# Altium PCB Tag201_GangProgrammerRev1.PcbDoc (part 1 of 7) (continued)
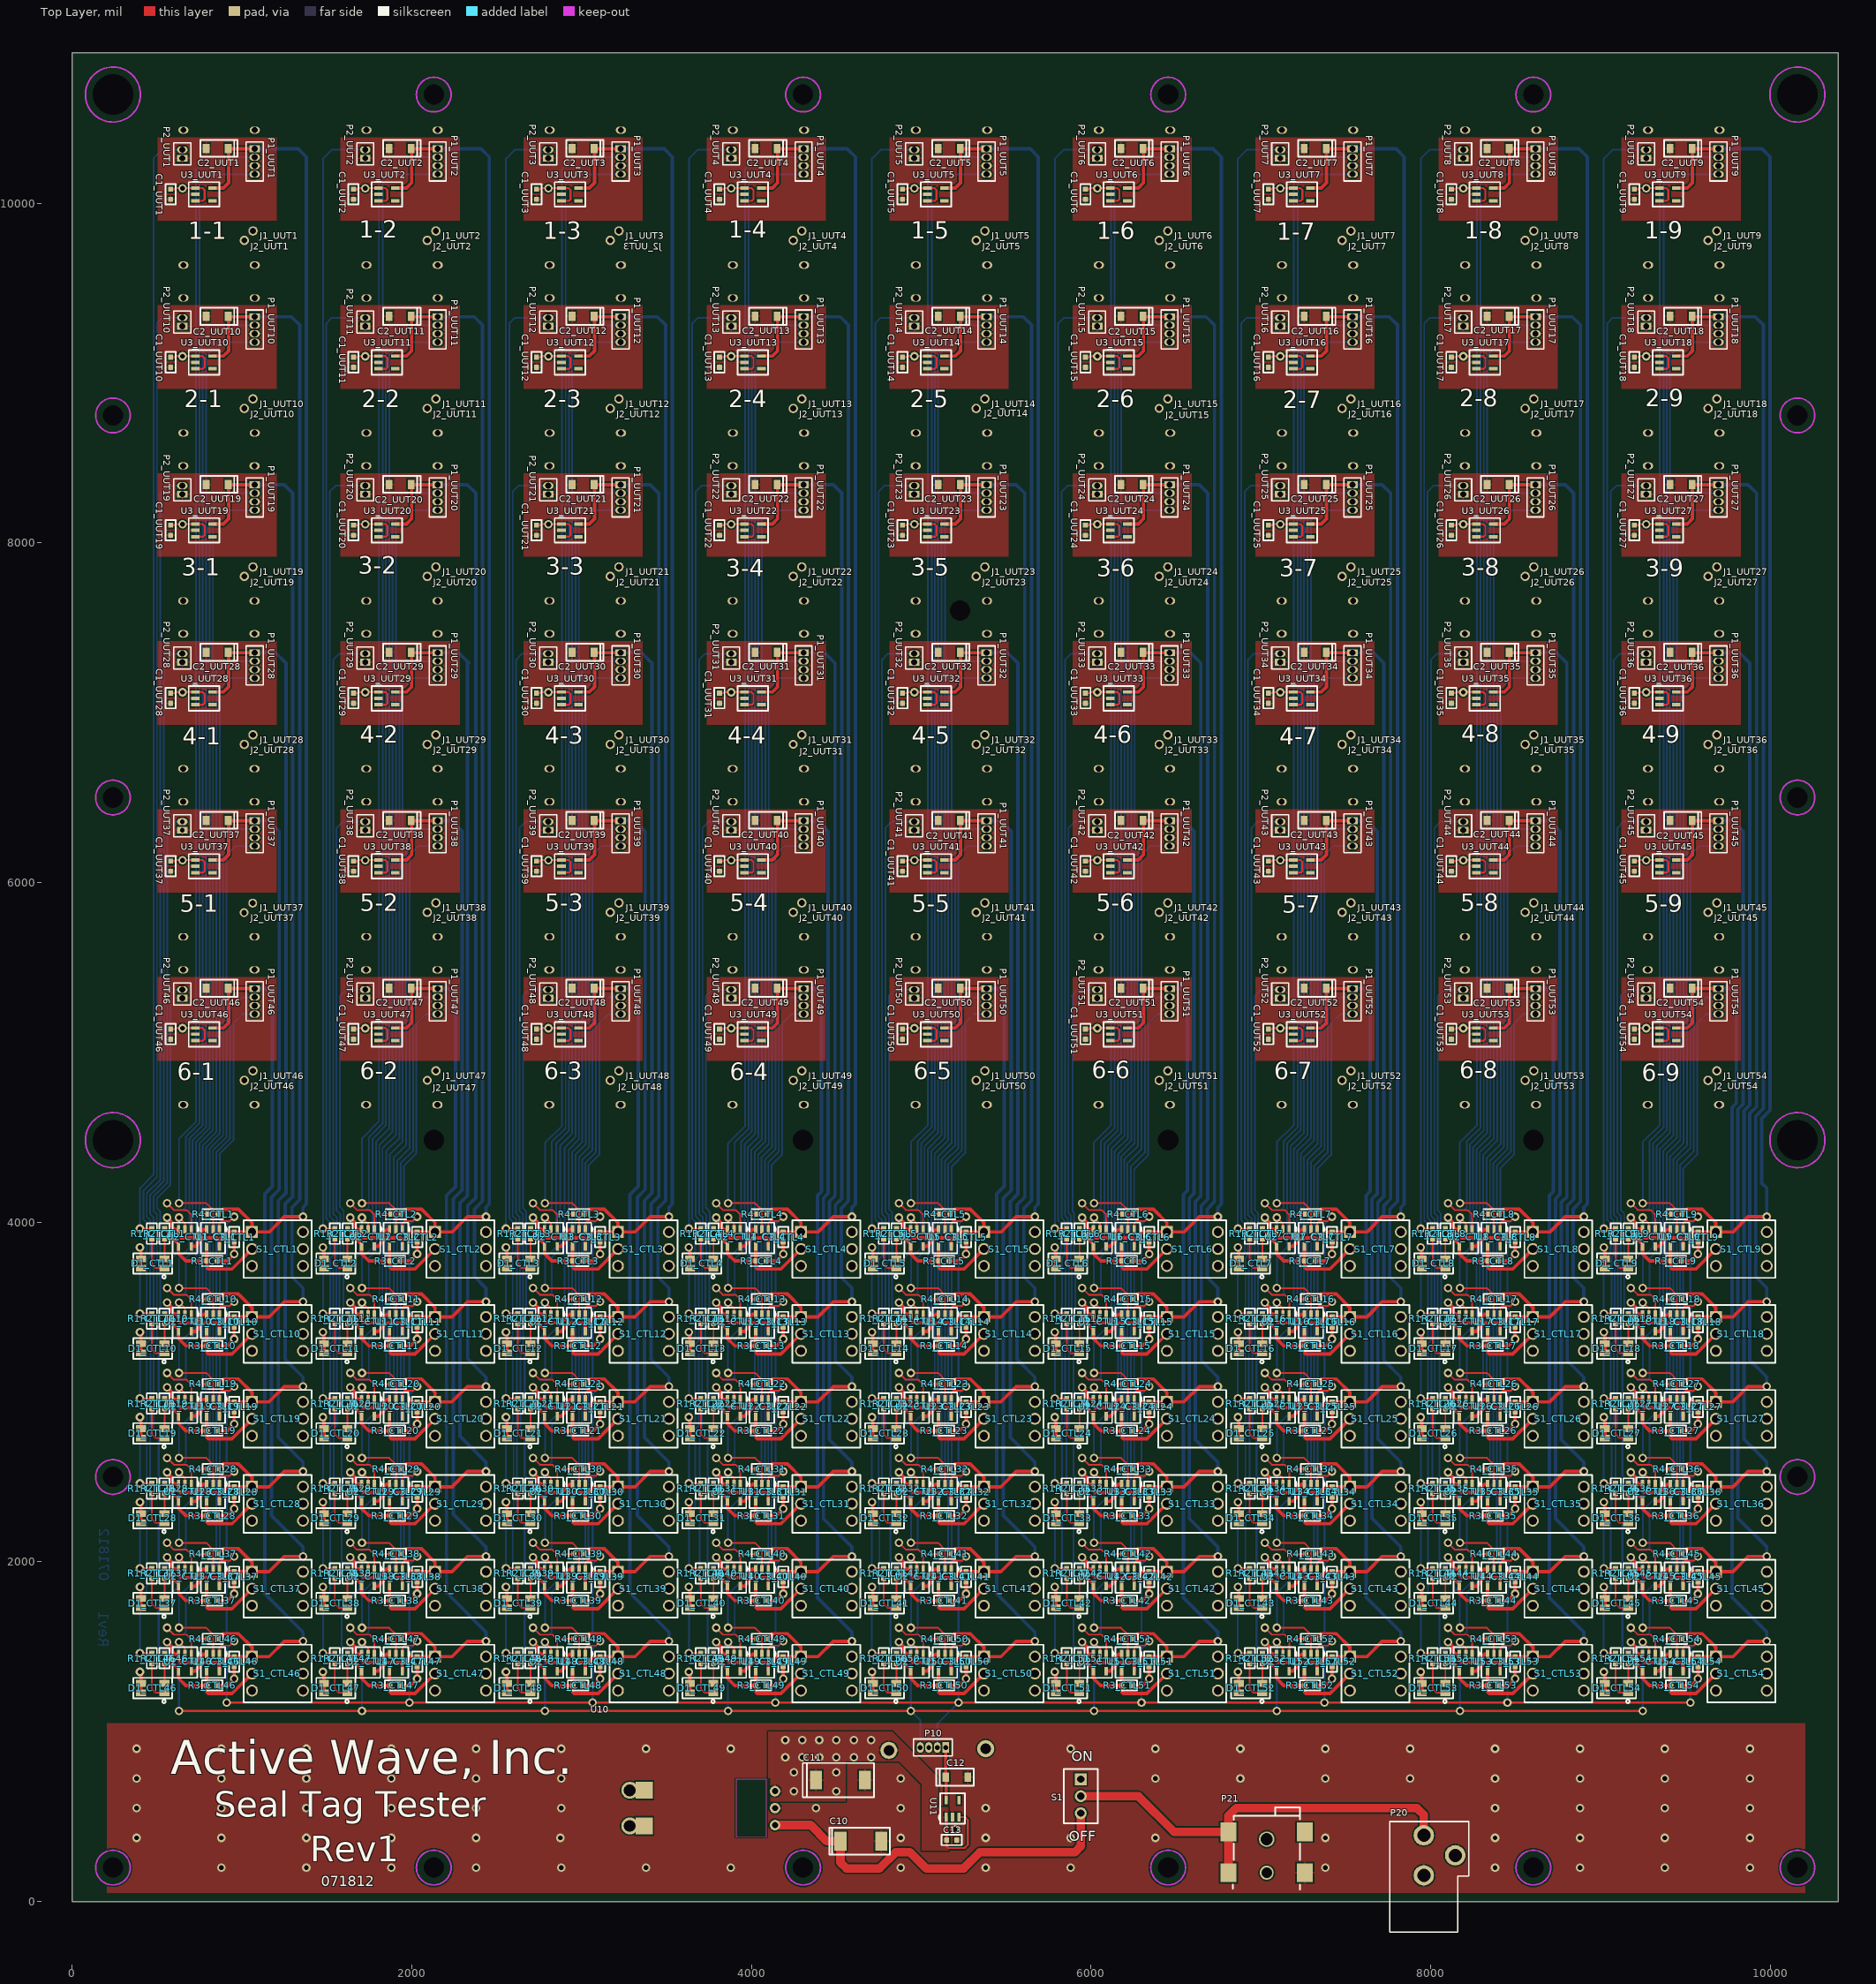
[diagram p0: Top Layer view]
## Classes and differential pairs
net class VCC[1..54]: VCC1 VCC2 VCC3 VCC4 VCC5 VCC6 VCC7 VCC8 VCC9 VCC10 VCC11 VCC12 VCC13 VCC14 VCC15 VCC16 VCC17 VCC18 VCC19 VCC20 VCC21 VCC22 VCC23 VCC24 VCC25 VCC26 VCC27 VCC28 VCC29 VCC30 VCC31 VCC32 VCC33 VCC34 VCC35 VCC36 VCC37 VCC38 VCC39 VCC40 VCC41 VCC42 VCC43 VCC44 VCC45 VCC46 VCC47 VCC48 VCC49 VCC50 VCC51 VCC52 VCC53 VCC54
net class TEST[1..54]: TEST1 TEST2 TEST3 TEST4 TEST5 TEST6 TEST7 TEST8 TEST9 TEST10 TEST11 TEST12 TEST13 TEST14 TEST15 TEST16 TEST17 TEST18 TEST19 TEST20 TEST21 TEST22 TEST23 TEST24 TEST25 TEST26 TEST27 TEST28 TEST29 TEST30 TEST31 TEST32 TEST33 TEST34 TEST35 TEST36 TEST37 TEST38 TEST39 TEST40 TEST41 TEST42 TEST43 TEST44 TEST45 TEST46 TEST47 TEST48 TEST49 TEST50 TEST51 TEST52 TEST53 TEST54
net class RESET[1..54]: RESET1 RESET2 RESET3 RESET4 RESET5 RESET6 RESET7 RESET8 RESET9 RESET10 RESET11 RESET12 RESET13 RESET14 RESET15 RESET16 RESET17 RESET18 RESET19 RESET20 RESET21 RESET22 RESET23 RESET24 RESET25 RESET26 RESET27 RESET28 RESET29 RESET30 RESET31 RESET32 RESET33 RESET34 RESET35 RESET36 RESET37 RESET38 RESET39 RESET40 RESET41 RESET42 RESET43 RESET44 RESET45 RESET46 RESET47 RESET48 RESET49 RESET50 RESET51 RESET52 RESET53 RESET54
net class DEBUG[1..54]: DEBUG1 DEBUG2 DEBUG3 DEBUG4 DEBUG5 DEBUG6 DEBUG7 DEBUG8 DEBUG9 DEBUG10 DEBUG11 DEBUG12 DEBUG13 DEBUG14 DEBUG15 DEBUG16 DEBUG17 DEBUG18 DEBUG19 DEBUG20 DEBUG21 DEBUG22 DEBUG23 DEBUG24 DEBUG25 DEBUG26 DEBUG27 DEBUG28 DEBUG29 DEBUG30 DEBUG31 DEBUG32 DEBUG33 DEBUG34 DEBUG35 DEBUG36 DEBUG37 DEBUG38 DEBUG39 DEBUG40 DEBUG41 DEBUG42 DEBUG43 DEBUG44 DEBUG45 DEBUG46 DEBUG47 DEBUG48 DEBUG49 DEBUG50 DEBUG51 DEBUG52 DEBUG53 DEBUG54
component class UUT1: C1_UUT1 C2_UUT1 C3_UUT1 D1_UUT1 J1_UUT1 J2_UUT1 K1_UUT1 P1_UUT1 P2_UUT1 R1_UUT1 R2_UUT1 R3_UUT1 R4_UUT1 U1_UUT1 U3_UUT1
component class UUT2: C1_UUT2 C2_UUT2 C3_UUT2 D1_UUT2 J1_UUT2 J2_UUT2 K1_UUT2 P1_UUT2 P2_UUT2 R1_UUT2 R2_UUT2 R3_UUT2 R4_UUT2 U1_UUT2 U3_UUT2
component class UUT3: C1_UUT3 C2_UUT3 C3_UUT3 D1_UUT3 J1_UUT3 J2_UUT3 K1_UUT3 P1_UUT3 P2_UUT3 R1_UUT3 R2_UUT3 R3_UUT3 R4_UUT3 U1_UUT3 U3_UUT3
component class UUT4: C1_UUT4 C2_UUT4 C3_UUT4 D1_UUT4 J1_UUT4 J2_UUT4 K1_UUT4 P1_UUT4 P2_UUT4 R1_UUT4 R2_UUT4 R3_UUT4 R4_UUT4 U1_UUT4 U3_UUT4
component class UUT5: C1_UUT5 C2_UUT5 C3_UUT5 D1_UUT5 J1_UUT5 J2_UUT5 K1_UUT5 P1_UUT5 P2_UUT5 R1_UUT5 R2_UUT5 R3_UUT5 R4_UUT5 U1_UUT5 U3_UUT5
component class UUT6: C1_UUT6 C2_UUT6 C3_UUT6 D1_UUT6 J1_UUT6 J2_UUT6 K1_UUT6 P1_UUT6 P2_UUT6 R1_UUT6 R2_UUT6 R3_UUT6 R4_UUT6 U1_UUT6 U3_UUT6
component class UUT7: C1_UUT7 C2_UUT7 C3_UUT7 D1_UUT7 J1_UUT7 J2_UUT7 K1_UUT7 P1_UUT7 P2_UUT7 R1_UUT7 R2_UUT7 R3_UUT7 R4_UUT7 U1_UUT7 U3_UUT7
component class UUT8: C1_UUT8 C2_UUT8 C3_UUT8 D1_UUT8 J1_UUT8 J2_UUT8 K1_UUT8 P1_UUT8 P2_UUT8 R1_UUT8 R2_UUT8 R3_UUT8 R4_UUT8 U1_UUT8 U3_UUT8
component class UUT9: C1_UUT9 C2_UUT9 C3_UUT9 D1_UUT9 J1_UUT9 J2_UUT9 K1_UUT9 P1_UUT9 P2_UUT9 R1_UUT9 R2_UUT9 R3_UUT9 R4_UUT9 U1_UUT9 U3_UUT9
component class UUT10: C1_UUT10 C2_UUT10 J1_UUT10 J2_UUT10 P1_UUT10 P2_UUT10 U3_UUT10
component class UUT11: C1_UUT11 C2_UUT11 C3_UUT11 D1_UUT11 J1_UUT11 J2_UUT11 K1_UUT11 P1_UUT11 P2_UUT11 R1_UUT11 R2_UUT11 R3_UUT11 R4_UUT11 U1_UUT11 U3_UUT11
component class UUT12: C1_UUT12 C2_UUT12 C3_UUT12 D1_UUT12 J1_UUT12 J2_UUT12 K1_UUT12 P1_UUT12 P2_UUT12 R1_UUT12 R2_UUT12 R3_UUT12 R4_UUT12 U1_UUT12 U3_UUT12
component class UUT13: C1_UUT13 C2_UUT13 C3_UUT13 D1_UUT13 J1_UUT13 J2_UUT13 K1_UUT13 P1_UUT13 P2_UUT13 R1_UUT13 R2_UUT13 R3_UUT13 R4_UUT13 U1_UUT13 U3_UUT13
component class UUT14: C1_UUT14 C2_UUT14 C3_UUT14 D1_UUT14 J1_UUT14 J2_UUT14 K1_UUT14 P1_UUT14 P2_UUT14 R1_UUT14 R2_UUT14 R3_UUT14 R4_UUT14 U1_UUT14 U3_UUT14
component class UUT15: C1_UUT15 C2_UUT15 C3_UUT15 D1_UUT15 J1_UUT15 J2_UUT15 K1_UUT15 P1_UUT15 P2_UUT15 R1_UUT15 R2_UUT15 R3_UUT15 R4_UUT15 U1_UUT15 U3_UUT15
component class UUT16: C1_UUT16 C2_UUT16 C3_UUT16 D1_UUT16 J1_UUT16 J2_UUT16 K1_UUT16 P1_UUT16 P2_UUT16 R1_UUT16 R2_UUT16 R3_UUT16 R4_UUT16 U1_UUT16 U3_UUT16
component class UUT17: C1_UUT17 C2_UUT17 C3_UUT17 D1_UUT17 J1_UUT17 J2_UUT17 K1_UUT17 P1_UUT17 P2_UUT17 R1_UUT17 R2_UUT17 R3_UUT17 R4_UUT17 U1_UUT17 U3_UUT17
component class UUT18: C1_UUT18 C2_UUT18 C3_UUT18 D1_UUT18 J1_UUT18 J2_UUT18 K1_UUT18 P1_UUT18 P2_UUT18 R1_UUT18 R2_UUT18 R3_UUT18 R4_UUT18 U1_UUT18 U3_UUT18
component class UUT19: C1_UUT19 C2_UUT19 C3_UUT19 D1_UUT19 J1_UUT19 J2_UUT19 K1_UUT19 P1_UUT19 P2_UUT19 R1_UUT19 R2_UUT19 R3_UUT19 R4_UUT19 U1_UUT19 U3_UUT19
component class UUT20: C1_UUT20 C2_UUT20 C3_UUT20 D1_UUT20 J1_UUT20 J2_UUT20 K1_UUT20 P1_UUT20 P2_UUT20 R1_UUT20 R2_UUT20 R3_UUT20 R4_UUT20 U1_UUT20 U3_UUT20
component class UUT21: C1_UUT21 C2_UUT21 C3_UUT21 D1_UUT21 J1_UUT21 J2_UUT21 K1_UUT21 P1_UUT21 P2_UUT21 R1_UUT21 R2_UUT21 R3_UUT21 R4_UUT21 U1_UUT21 U3_UUT21
component class UUT22: C1_UUT22 C2_UUT22 C3_UUT22 D1_UUT22 J1_UUT22 J2_UUT22 K1_UUT22 P1_UUT22 P2_UUT22 R1_UUT22 R2_UUT22 R3_UUT22 R4_UUT22 U1_UUT22 U3_UUT22
component class UUT23: C1_UUT23 C2_UUT23 C3_UUT23 D1_UUT23 J1_UUT23 J2_UUT23 K1_UUT23 P1_UUT23 P2_UUT23 R1_UUT23 R2_UUT23 R3_UUT23 R4_UUT23 U1_UUT23 U3_UUT23
component class UUT24: C1_UUT24 C2_UUT24 C3_UUT24 D1_UUT24 J1_UUT24 J2_UUT24 K1_UUT24 P1_UUT24 P2_UUT24 R1_UUT24 R2_UUT24 R3_UUT24 R4_UUT24 U1_UUT24 U3_UUT24
component class UUT25: C1_UUT25 C2_UUT25 C3_UUT25 D1_UUT25 J1_UUT25 J2_UUT25 K1_UUT25 P1_UUT25 P2_UUT25 R1_UUT25 R2_UUT25 R3_UUT25 R4_UUT25 U1_UUT25 U3_UUT25
component class UUT26: C1_UUT26 C2_UUT26 C3_UUT26 D1_UUT26 J1_UUT26 J2_UUT26 K1_UUT26 P1_UUT26 P2_UUT26 R1_UUT26 R2_UUT26 R3_UUT26 R4_UUT26 U1_UUT26 U3_UUT26
component class UUT27: C1_UUT27 C2_UUT27 C3_UUT27 D1_UUT27 J1_UUT27 J2_UUT27 K1_UUT27 P1_UUT27 P2_UUT27 R1_UUT27 R2_UUT27 R3_UUT27 R4_UUT27 U1_UUT27 U3_UUT27
component class UUT28: C1_UUT28 C2_UUT28 C3_UUT28 D1_UUT28 J1_UUT28 J2_UUT28 K1_UUT28 P1_UUT28 P2_UUT28 R1_UUT28 R2_UUT28 R3_UUT28 R4_UUT28 U1_UUT28 U3_UUT28
component class UUT29: C1_UUT29 C2_UUT29 C3_UUT29 D1_UUT29 J1_UUT29 J2_UUT29 K1_UUT29 P1_UUT29 P2_UUT29 R1_UUT29 R2_UUT29 R3_UUT29 R4_UUT29 U1_UUT29 U3_UUT29
component class UUT30: C1_UUT30 C2_UUT30 C3_UUT30 D1_UUT30 J1_UUT30 J2_UUT30 K1_UUT30 P1_UUT30 P2_UUT30 R1_UUT30 R2_UUT30 R3_UUT30 R4_UUT30 U1_UUT30 U3_UUT30
component class UUT31: C1_UUT31 C2_UUT31 C3_UUT31 D1_UUT31 J1_UUT31 J2_UUT31 K1_UUT31 P1_UUT31 P2_UUT31 R1_UUT31 R2_UUT31 R3_UUT31 R4_UUT31 U1_UUT31 U3_UUT31
component class UUT32: C1_UUT32 C2_UUT32 C3_UUT32 D1_UUT32 J1_UUT32 J2_UUT32 K1_UUT32 P1_UUT32 P2_UUT32 R1_UUT32 R2_UUT32 R3_UUT32 R4_UUT32 U1_UUT32 U3_UUT32
component class UUT33: C1_UUT33 C2_UUT33 C3_UUT33 D1_UUT33 J1_UUT33 J2_UUT33 K1_UUT33 P1_UUT33 P2_UUT33 R1_UUT33 R2_UUT33 R3_UUT33 R4_UUT33 U1_UUT33 U3_UUT33
component class UUT34: C1_UUT34 C2_UUT34 C3_UUT34 D1_UUT34 J1_UUT34 J2_UUT34 K1_UUT34 P1_UUT34 P2_UUT34 R1_UUT34 R2_UUT34 R3_UUT34 R4_UUT34 U1_UUT34 U3_UUT34
component class UUT35: C1_UUT35 C2_UUT35 C3_UUT35 D1_UUT35 J1_UUT35 J2_UUT35 K1_UUT35 P1_UUT35 P2_UUT35 R1_UUT35 R2_UUT35 R3_UUT35 R4_UUT35 U1_UUT35 U3_UUT35
component class UUT36: C1_UUT36 C2_UUT36 C3_UUT36 D1_UUT36 J1_UUT36 J2_UUT36 K1_UUT36 P1_UUT36 P2_UUT36 R1_UUT36 R2_UUT36 R3_UUT36 R4_UUT36 U1_UUT36 U3_UUT36
component class UUT37: C1_UUT37 C2_UUT37 C3_UUT37 D1_UUT37 J1_UUT37 J2_UUT37 K1_UUT37 P1_UUT37 P2_UUT37 R1_UUT37 R2_UUT37 R3_UUT37 R4_UUT37 U1_UUT37 U3_UUT37
component class UUT38: C1_UUT38 C2_UUT38 C3_UUT38 D1_UUT38 J1_UUT38 J2_UUT38 K1_UUT38 P1_UUT38 P2_UUT38 R1_UUT38 R2_UUT38 R3_UUT38 R4_UUT38 U1_UUT38 U3_UUT38
component class UUT39: C1_UUT39 C2_UUT39 C3_UUT39 D1_UUT39 J1_UUT39 J2_UUT39 K1_UUT39 P1_UUT39 P2_UUT39 R1_UUT39 R2_UUT39 R3_UUT39 R4_UUT39 U1_UUT39 U3_UUT39
component class UUT40: C1_UUT40 C2_UUT40 C3_UUT40 D1_UUT40 J1_UUT40 J2_UUT40 K1_UUT40 P1_UUT40 P2_UUT40 R1_UUT40 R2_UUT40 R3_UUT40 R4_UUT40 U1_UUT40 U3_UUT40
component class UUT41: C1_UUT41 C2_UUT41 C3_UUT41 D1_UUT41 J1_UUT41 J2_UUT41 K1_UUT41 P1_UUT41 P2_UUT41 R1_UUT41 R2_UUT41 R3_UUT41 R4_UUT41 U1_UUT41 U3_UUT41
component class UUT42: C1_UUT42 C2_UUT42 C3_UUT42 D1_UUT42 J1_UUT42 J2_UUT42 K1_UUT42 P1_UUT42 P2_UUT42 R1_UUT42 R2_UUT42 R3_UUT42 R4_UUT42 U1_UUT42 U3_UUT42
component class UUT43: C1_UUT43 C2_UUT43 C3_UUT43 D1_UUT43 J1_UUT43 J2_UUT43 K1_UUT43 P1_UUT43 P2_UUT43 R1_UUT43 R2_UUT43 R3_UUT43 R4_UUT43 U1_UUT43 U3_UUT43
component class UUT44: C1_UUT44 C2_UUT44 C3_UUT44 D1_UUT44 J1_UUT44 J2_UUT44 K1_UUT44 P1_UUT44 P2_UUT44 R1_UUT44 R2_UUT44 R3_UUT44 R4_UUT44 U1_UUT44 U3_UUT44
component class UUT45: C1_UUT45 C2_UUT45 C3_UUT45 D1_UUT45 J1_UUT45 J2_UUT45 K1_UUT45 P1_UUT45 P2_UUT45 R1_UUT45 R2_UUT45 R3_UUT45 R4_UUT45 U1_UUT45 U3_UUT45
component class UUT46: C1_UUT46 C2_UUT46 C3_UUT46 D1_UUT46 J1_UUT46 J2_UUT46 K1_UUT46 P1_UUT46 P2_UUT46 R1_UUT46 R2_UUT46 R3_UUT46 R4_UUT46 U1_UUT46 U3_UUT46
component class UUT47: C1_UUT47 C2_UUT47 C3_UUT47 D1_UUT47 J1_UUT47 J2_UUT47 K1_UUT47 P1_UUT47 P2_UUT47 R1_UUT47 R2_UUT47 R3_UUT47 R4_UUT47 U1_UUT47 U3_UUT47
component class UUT48: C1_UUT48 C2_UUT48 C3_UUT48 D1_UUT48 J1_UUT48 J2_UUT48 K1_UUT48 P1_UUT48 P2_UUT48 R1_UUT48 R2_UUT48 R3_UUT48 R4_UUT48 U1_UUT48 U3_UUT48
component class UUT49: C1_UUT49 C2_UUT49 C3_UUT49 D1_UUT49 J1_UUT49 J2_UUT49 K1_UUT49 P1_UUT49 P2_UUT49 R1_UUT49 R2_UUT49 R3_UUT49 R4_UUT49 U1_UUT49 U3_UUT49
component class UUT50: C1_UUT50 C2_UUT50 C3_UUT50 D1_UUT50 J1_UUT50 J2_UUT50 K1_UUT50 P1_UUT50 P2_UUT50 R1_UUT50 R2_UUT50 R3_UUT50 R4_UUT50 U1_UUT50 U3_UUT50
component class UUT51: C1_UUT51 C2_UUT51 C3_UUT51 D1_UUT51 J1_UUT51 J2_UUT51 K1_UUT51 P1_UUT51 P2_UUT51 R1_UUT51 R2_UUT51 R3_UUT51 R4_UUT51 U1_UUT51 U3_UUT51
component class UUT52: C1_UUT52 C2_UUT52 C3_UUT52 D1_UUT52 J1_UUT52 J2_UUT52 K1_UUT52 P1_UUT52 P2_UUT52 R1_UUT52 R2_UUT52 R3_UUT52 R4_UUT52 U1_UUT52 U3_UUT52
component class UUT53: C1_UUT53 C2_UUT53 C3_UUT53 D1_UUT53 J1_UUT53 J2_UUT53 K1_UUT53 P1_UUT53 P2_UUT53 R1_UUT53 R2_UUT53 R3_UUT53 R4_UUT53 U1_UUT53 U3_UUT53
component class UUT54: C1_UUT54 C2_UUT54 C3_UUT54 D1_UUT54 J1_UUT54 J2_UUT54 K1_UUT54 P1_UUT54 P2_UUT54 R1_UUT54 R2_UUT54 R3_UUT54 R4_UUT54 U1_UUT54 U3_UUT54
channel class SingleBoardTestRev1: UUT1 UUT2 UUT3 UUT4 UUT5 UUT6 UUT7 UUT8 UUT9 UUT10 UUT11 UUT12 UUT13 UUT14 UUT15 UUT16 UUT17 UUT18 UUT19 UUT20 UUT21 UUT22 UUT23 UUT24 UUT25 UUT26 UUT27 UUT28 UUT29 UUT30 UUT31 UUT32 UUT33 UUT34 UUT35 UUT36 UUT37 UUT38 UUT39 UUT40 UUT41 UUT42 UUT43 UUT44 UUT45 UUT46 UUT47 UUT48 UUT49 UUT50 UUT51 UUT52 UUT53 UUT54
component class CTL1: C3_CTL1 D1_CTL1 R1_CTL1 R2_CTL1 R3_CTL1 R4_CTL1 S1_CTL1 U1_CTL1 U2_CTL1
component class CTL2: C3_CTL2 D1_CTL2 R1_CTL2 R2_CTL2 R3_CTL2 R4_CTL2 S1_CTL2 U1_CTL2 U2_CTL2
component class CTL3: C3_CTL3 D1_CTL3 R1_CTL3 R2_CTL3 R3_CTL3 R4_CTL3 S1_CTL3 U1_CTL3 U2_CTL3
component class CTL4: C3_CTL4 D1_CTL4 R1_CTL4 R2_CTL4 R3_CTL4 R4_CTL4 S1_CTL4 U1_CTL4 U2_CTL4
component class CTL5: C3_CTL5 D1_CTL5 R1_CTL5 R2_CTL5 R3_CTL5 R4_CTL5 S1_CTL5 U1_CTL5 U2_CTL5
component class CTL6: C3_CTL6 D1_CTL6 R1_CTL6 R2_CTL6 R3_CTL6 R4_CTL6 S1_CTL6 U1_CTL6 U2_CTL6
component class CTL7: C3_CTL7 D1_CTL7 R1_CTL7 R2_CTL7 R3_CTL7 R4_CTL7 S1_CTL7 U1_CTL7 U2_CTL7
component class CTL8: C3_CTL8 D1_CTL8 R1_CTL8 R2_CTL8 R3_CTL8 R4_CTL8 S1_CTL8 U1_CTL8 U2_CTL8
component class CTL9: C3_CTL9 D1_CTL9 R1_CTL9 R2_CTL9 R3_CTL9 R4_CTL9 S1_CTL9 U1_CTL9 U2_CTL9
component class CTL10: C3_CTL10 D1_CTL10 R1_CTL10 R2_CTL10 R3_CTL10 R4_CTL10 S1_CTL10 U1_CTL10 U2_CTL10
component class CTL11: C3_CTL11 D1_CTL11 R1_CTL11 R2_CTL11 R3_CTL11 R4_CTL11 S1_CTL11 U1_CTL11 U2_CTL11
component class CTL12: C3_CTL12 D1_CTL12 R1_CTL12 R2_CTL12 R3_CTL12 R4_CTL12 S1_CTL12 U1_CTL12 U2_CTL12
component class CTL13: C3_CTL13 D1_CTL13 R1_CTL13 R2_CTL13 R3_CTL13 R4_CTL13 S1_CTL13 U1_CTL13 U2_CTL13
component class CTL14: C3_CTL14 D1_CTL14 R1_CTL14 R2_CTL14 R3_CTL14 R4_CTL14 S1_CTL14 U1_CTL14 U2_CTL14
component class CTL15: C3_CTL15 D1_CTL15 R1_CTL15 R2_CTL15 R3_CTL15 R4_CTL15 S1_CTL15 U1_CTL15 U2_CTL15
component class CTL16: C3_CTL16 D1_CTL16 R1_CTL16 R2_CTL16 R3_CTL16 R4_CTL16 S1_CTL16 U1_CTL16 U2_CTL16
component class CTL17: C3_CTL17 D1_CTL17 R1_CTL17 R2_CTL17 R3_CTL17 R4_CTL17 S1_CTL17 U1_CTL17 U2_CTL17
component class CTL18: C3_CTL18 D1_CTL18 R1_CTL18 R2_CTL18 R3_CTL18 R4_CTL18 S1_CTL18 U1_CTL18 U2_CTL18
component class CTL19: C3_CTL19 D1_CTL19 R1_CTL19 R2_CTL19 R3_CTL19 R4_CTL19 S1_CTL19 U1_CTL19 U2_CTL19
component class CTL20: C3_CTL20 D1_CTL20 R1_CTL20 R2_CTL20 R3_CTL20 R4_CTL20 S1_CTL20 U1_CTL20 U2_CTL20
component class CTL21: C3_CTL21 D1_CTL21 R1_CTL21 R2_CTL21 R3_CTL21 R4_CTL21 S1_CTL21 U1_CTL21 U2_CTL21
component class CTL22: C3_CTL22 D1_CTL22 R1_CTL22 R2_CTL22 R3_CTL22 R4_CTL22 S1_CTL22 U1_CTL22 U2_CTL22
component class CTL23: C3_CTL23 D1_CTL23 R1_CTL23 R2_CTL23 R3_CTL23 R4_CTL23 S1_CTL23 U1_CTL23 U2_CTL23
component class CTL24: C3_CTL24 D1_CTL24 R1_CTL24 R2_CTL24 R3_CTL24 R4_CTL24 S1_CTL24 U1_CTL24 U2_CTL24
component class CTL25: C3_CTL25 D1_CTL25 R1_CTL25 R2_CTL25 R3_CTL25 R4_CTL25 S1_CTL25 U1_CTL25 U2_CTL25
component class CTL26: C3_CTL26 D1_CTL26 R1_CTL26 R2_CTL26 R3_CTL26 R4_CTL26 S1_CTL26 U1_CTL26 U2_CTL26
component class CTL27: C3_CTL27 D1_CTL27 R1_CTL27 R2_CTL27 R3_CTL27 R4_CTL27 S1_CTL27 U1_CTL27 U2_CTL27
component class CTL28: C3_CTL28 D1_CTL28 R1_CTL28 R2_CTL28 R3_CTL28 R4_CTL28 S1_CTL28 U1_CTL28 U2_CTL28
component class CTL29: C3_CTL29 D1_CTL29 R1_CTL29 R2_CTL29 R3_CTL29 R4_CTL29 S1_CTL29 U1_CTL29 U2_CTL29
component class CTL30: C3_CTL30 D1_CTL30 R1_CTL30 R2_CTL30 R3_CTL30 R4_CTL30 S1_CTL30 U1_CTL30 U2_CTL30
component class CTL31: C3_CTL31 D1_CTL31 R1_CTL31 R2_CTL31 R3_CTL31 R4_CTL31 S1_CTL31 U1_CTL31 U2_CTL31
component class CTL32: C3_CTL32 D1_CTL32 R1_CTL32 R2_CTL32 R3_CTL32 R4_CTL32 S1_CTL32 U1_CTL32 U2_CTL32
component class CTL33: C3_CTL33 D1_CTL33 R1_CTL33 R2_CTL33 R3_CTL33 R4_CTL33 S1_CTL33 U1_CTL33 U2_CTL33
component class CTL34: C3_CTL34 D1_CTL34 R1_CTL34 R2_CTL34 R3_CTL34 R4_CTL34 S1_CTL34 U1_CTL34 U2_CTL34
component class CTL35: C3_CTL35 D1_CTL35 R1_CTL35 R2_CTL35 R3_CTL35 R4_CTL35 S1_CTL35 U1_CTL35 U2_CTL35
component class CTL36: C3_CTL36 D1_CTL36 R1_CTL36 R2_CTL36 R3_CTL36 R4_CTL36 S1_CTL36 U1_CTL36 U2_CTL36
component class CTL37: C3_CTL37 D1_CTL37 R1_CTL37 R2_CTL37 R3_CTL37 R4_CTL37 S1_CTL37 U1_CTL37 U2_CTL37
component class CTL38: C3_CTL38 D1_CTL38 R1_CTL38 R2_CTL38 R3_CTL38 R4_CTL38 S1_CTL38 U1_CTL38 U2_CTL38
component class CTL39: C3_CTL39 D1_CTL39 R1_CTL39 R2_CTL39 R3_CTL39 R4_CTL39 S1_CTL39 U1_CTL39 U2_CTL39
component class CTL40: C3_CTL40 D1_CTL40 R1_CTL40 R2_CTL40 R3_CTL40 R4_CTL40 S1_CTL40 U1_CTL40 U2_CTL40
component class CTL41: C3_CTL41 D1_CTL41 R1_CTL41 R2_CTL41 R3_CTL41 R4_CTL41 S1_CTL41 U1_CTL41 U2_CTL41
component class CTL42: C3_CTL42 D1_CTL42 R1_CTL42 R2_CTL42 R3_CTL42 R4_CTL42 S1_CTL42 U1_CTL42 U2_CTL42
component class CTL43: C3_CTL43 D1_CTL43 R1_CTL43 R2_CTL43 R3_CTL43 R4_CTL43 S1_CTL43 U1_CTL43 U2_CTL43
component class CTL44: C3_CTL44 D1_CTL44 R1_CTL44 R2_CTL44 R3_CTL44 R4_CTL44 S1_CTL44 U1_CTL44 U2_CTL44
component class CTL45: C3_CTL45 D1_CTL45 R1_CTL45 R2_CTL45 R3_CTL45 R4_CTL45 S1_CTL45 U1_CTL45 U2_CTL45
component class CTL46: C3_CTL46 D1_CTL46 R1_CTL46 R2_CTL46 R3_CTL46 R4_CTL46 S1_CTL46 U1_CTL46 U2_CTL46
component class CTL47: C3_CTL47 D1_CTL47 R1_CTL47 R2_CTL47 R3_CTL47 R4_CTL47 S1_CTL47 U1_CTL47 U2_CTL47
component class CTL48: C3_CTL48 D1_CTL48 R1_CTL48 R2_CTL48 R3_CTL48 R4_CTL48 S1_CTL48 U1_CTL48 U2_CTL48
component class CTL49: C3_CTL49 D1_CTL49 R1_CTL49 R2_CTL49 R3_CTL49 R4_CTL49 S1_CTL49 U1_CTL49 U2_CTL49
component class CTL50: C3_CTL50 D1_CTL50 R1_CTL50 R2_CTL50 R3_CTL50 R4_CTL50 S1_CTL50 U1_CTL50 U2_CTL50
component class CTL51: C3_CTL51 D1_CTL51 R1_CTL51 R2_CTL51 R3_CTL51 R4_CTL51 S1_CTL51 U1_CTL51 U2_CTL51
component class CTL52: C3_CTL52 D1_CTL52 R1_CTL52 R2_CTL52 R3_CTL52 R4_CTL52 S1_CTL52 U1_CTL52 U2_CTL52
component class CTL53: C3_CTL53 D1_CTL53 R1_CTL53 R2_CTL53 R3_CTL53 R4_CTL53 S1_CTL53 U1_CTL53 U2_CTL53
component class CTL54: C3_CTL54 D1_CTL54 R1_CTL54 R2_CTL54 R3_CTL54 R4_CTL54 S1_CTL54 U1_CTL54 U2_CTL54
channel class SingleBoardControlRev1: CTL1 CTL2 CTL3 CTL4 CTL5 CTL6 CTL7 CTL8 CTL9 CTL10 CTL11 CTL12 CTL13 CTL14 CTL15 CTL16 CTL17 CTL18 CTL19 CTL20 CTL21 CTL22 CTL23 CTL24 CTL25 CTL26 CTL27 CTL28 CTL29 CTL30 CTL31 CTL32 CTL33 CTL34 CTL35 CTL36 CTL37 CTL38 CTL39 CTL40 CTL41 CTL42 CTL43 CTL44 CTL45 CTL46 CTL47 CTL48 CTL49 CTL50 CTL51 CTL52 CTL53 CTL54

## Components (designator, comment, footprint, x,y, rotation, side; value= is the part's Value field where it differs from the comment)
C1_UUT1 "0.1uf" 0603_072205 579,10052 r270 top (schematic designator C1)
C1_UUT2 "0.1uf" 0603_072205 1656.5,10052 r270 top (schematic designator C1)
C1_UUT3 "0.1uf" 0603_072205 2734,10052 r270 top (schematic designator C1)
C1_UUT4 "0.1uf" 0603_072205 3811.5,10052 r270 top (schematic designator C1)
C1_UUT5 "0.1uf" 0603_072205 4889,10052 r270 top (schematic designator C1)
C1_UUT6 "0.1uf" 0603_072205 5966.5,10052 r270 top (schematic designator C1)
C1_UUT7 "0.1uf" 0603_072205 7044,10052 r270 top (schematic designator C1)
C1_UUT8 "0.1uf" 0603_072205 8121.5,10052 r270 top (schematic designator C1)
C1_UUT9 "0.1uf" 0603_072205 9199,10052 r270 top (schematic designator C1)
C1_UUT10 "0.1uf" 0603_072205 579,9063 r270 top (schematic designator C1)
C1_UUT11 "0.1uf" 0603_072205 1656.5,9063 r270 top (schematic designator C1)
C1_UUT12 "0.1uf" 0603_072205 2734,9063 r270 top (schematic designator C1)
C1_UUT13 "0.1uf" 0603_072205 3811.5,9063 r270 top (schematic designator C1)
C1_UUT14 "0.1uf" 0603_072205 4889,9063 r270 top (schematic designator C1)
C1_UUT15 "0.1uf" 0603_072205 5966.5,9063 r270 top (schematic designator C1)
C1_UUT16 "0.1uf" 0603_072205 7044,9063 r270 top (schematic designator C1)
C1_UUT17 "0.1uf" 0603_072205 8121.5,9063 r270 top (schematic designator C1)
C1_UUT18 "0.1uf" 0603_072205 9199,9063 r270 top (schematic designator C1)
C1_UUT19 "0.1uf" 0603_072205 579,8074 r270 top (schematic designator C1)
C1_UUT20 "0.1uf" 0603_072205 1656.5,8074 r270 top (schematic designator C1)
C1_UUT21 "0.1uf" 0603_072205 2734,8074 r270 top (schematic designator C1)
C1_UUT22 "0.1uf" 0603_072205 3811.5,8074 r270 top (schematic designator C1)
C1_UUT23 "0.1uf" 0603_072205 4889,8074 r270 top (schematic designator C1)
C1_UUT24 "0.1uf" 0603_072205 5966.5,8074 r270 top (schematic designator C1)
C1_UUT25 "0.1uf" 0603_072205 7044,8074 r270 top (schematic designator C1)
C1_UUT26 "0.1uf" 0603_072205 8121.5,8074 r270 top (schematic designator C1)
C1_UUT27 "0.1uf" 0603_072205 9199,8074 r270 top (schematic designator C1)
C1_UUT28 "0.1uf" 0603_072205 579,7085 r270 top (schematic designator C1)
C1_UUT29 "0.1uf" 0603_072205 1656.5,7085 r270 top (schematic designator C1)
C1_UUT30 "0.1uf" 0603_072205 2734,7085 r270 top (schematic designator C1)
C1_UUT31 "0.1uf" 0603_072205 3811.5,7085 r270 top (schematic designator C1)
C1_UUT32 "0.1uf" 0603_072205 4889,7085 r270 top (schematic designator C1)
C1_UUT33 "0.1uf" 0603_072205 5966.5,7085 r270 top (schematic designator C1)
C1_UUT34 "0.1uf" 0603_072205 7044,7085 r270 top (schematic designator C1)
C1_UUT35 "0.1uf" 0603_072205 8121.5,7085 r270 top (schematic designator C1)
C1_UUT36 "0.1uf" 0603_072205 9199,7085 r270 top (schematic designator C1)
C1_UUT37 "0.1uf" 0603_072205 579,6096 r270 top (schematic designator C1)
C1_UUT38 "0.1uf" 0603_072205 1656.5,6096 r270 top (schematic designator C1)
C1_UUT39 "0.1uf" 0603_072205 2734,6096 r270 top (schematic designator C1)
C1_UUT40 "0.1uf" 0603_072205 3811.5,6096 r270 top (schematic designator C1)
C1_UUT41 "0.1uf" 0603_072205 4889,6096 r270 top (schematic designator C1)
C1_UUT42 "0.1uf" 0603_072205 5966.5,6096 r270 top (schematic designator C1)
C1_UUT43 "0.1uf" 0603_072205 7044,6096 r270 top (schematic designator C1)
C1_UUT44 "0.1uf" 0603_072205 8121.5,6096 r270 top (schematic designator C1)
C1_UUT45 "0.1uf" 0603_072205 9199,6096 r270 top (schematic designator C1)
C1_UUT46 "0.1uf" 0603_072205 579,5107 r270 top (schematic designator C1)
C1_UUT47 "0.1uf" 0603_072205 1656.5,5107 r270 top (schematic designator C1)
C1_UUT48 "0.1uf" 0603_072205 2734,5107 r270 top (schematic designator C1)
C1_UUT49 "0.1uf" 0603_072205 3811.5,5107 r270 top (schematic designator C1)
C1_UUT50 "0.1uf" 0603_072205 4889,5107 r270 top (schematic designator C1)
C1_UUT51 "0.1uf" 0603_072205 5966.5,5107 r270 top (schematic designator C1)
C1_UUT52 "0.1uf" 0603_072205 7044,5107 r270 top (schematic designator C1)
C1_UUT53 "0.1uf" 0603_072205 8121.5,5107 r270 top (schematic designator C1)
C1_UUT54 "0.1uf" 0603_072205 9199,5107 r270 top (schematic designator C1)
C2_UUT1 "2.2uf 10V Tant" "CAP A CASE_030205" 854,10322 r0 top (schematic designator C2)
C2_UUT2 "2.2uf 10V Tant" "CAP A CASE_030205" 1931.5,10322 r0 top (schematic designator C2)
C2_UUT3 "2.2uf 10V Tant" "CAP A CASE_030205" 3009,10322 r0 top (schematic designator C2)
C2_UUT4 "2.2uf 10V Tant" "CAP A CASE_030205" 4086.5,10322 r0 top (schematic designator C2)
C2_UUT5 "2.2uf 10V Tant" "CAP A CASE_030205" 5164,10322 r0 top (schematic designator C2)
C2_UUT6 "2.2uf 10V Tant" "CAP A CASE_030205" 6241.5,10322 r0 top (schematic designator C2)
C2_UUT7 "2.2uf 10V Tant" "CAP A CASE_030205" 7319,10322 r0 top (schematic designator C2)
C2_UUT8 "2.2uf 10V Tant" "CAP A CASE_030205" 8396.5,10322 r0 top (schematic designator C2)
C2_UUT9 "2.2uf 10V Tant" "CAP A CASE_030205" 9474,10322 r0 top (schematic designator C2)
C2_UUT10 "2.2uf 10V Tant" "CAP A CASE_030205" 854,9333 r0 top (schematic designator C2)
C2_UUT11 "2.2uf 10V Tant" "CAP A CASE_030205" 1931.5,9333 r0 top (schematic designator C2)
C2_UUT12 "2.2uf 10V Tant" "CAP A CASE_030205" 3009,9333 r0 top (schematic designator C2)
C2_UUT13 "2.2uf 10V Tant" "CAP A CASE_030205" 4086.5,9333 r0 top (schematic designator C2)
C2_UUT14 "2.2uf 10V Tant" "CAP A CASE_030205" 5164,9333 r0 top (schematic designator C2)
C2_UUT15 "2.2uf 10V Tant" "CAP A CASE_030205" 6241.5,9333 r0 top (schematic designator C2)
C2_UUT16 "2.2uf 10V Tant" "CAP A CASE_030205" 7319,9333 r0 top (schematic designator C2)
C2_UUT17 "2.2uf 10V Tant" "CAP A CASE_030205" 8396.5,9333 r0 top (schematic designator C2)
C2_UUT18 "2.2uf 10V Tant" "CAP A CASE_030205" 9474,9333 r0 top (schematic designator C2)
C2_UUT19 "2.2uf 10V Tant" "CAP A CASE_030205" 854,8344 r0 top (schematic designator C2)
C2_UUT20 "2.2uf 10V Tant" "CAP A CASE_030205" 1931.5,8344 r0 top (schematic designator C2)
C2_UUT21 "2.2uf 10V Tant" "CAP A CASE_030205" 3009,8344 r0 top (schematic designator C2)
C2_UUT22 "2.2uf 10V Tant" "CAP A CASE_030205" 4086.5,8344 r0 top (schematic designator C2)
C2_UUT23 "2.2uf 10V Tant" "CAP A CASE_030205" 5164,8344 r0 top (schematic designator C2)
C2_UUT24 "2.2uf 10V Tant" "CAP A CASE_030205" 6241.5,8344 r0 top (schematic designator C2)
C2_UUT25 "2.2uf 10V Tant" "CAP A CASE_030205" 7319,8344 r0 top (schematic designator C2)
C2_UUT26 "2.2uf 10V Tant" "CAP A CASE_030205" 8396.5,8344 r0 top (schematic designator C2)
C2_UUT27 "2.2uf 10V Tant" "CAP A CASE_030205" 9474,8344 r0 top (schematic designator C2)
C2_UUT28 "2.2uf 10V Tant" "CAP A CASE_030205" 854,7355 r0 top (schematic designator C2)
C2_UUT29 "2.2uf 10V Tant" "CAP A CASE_030205" 1931.5,7355 r0 top (schematic designator C2)
C2_UUT30 "2.2uf 10V Tant" "CAP A CASE_030205" 3009,7355 r0 top (schematic designator C2)
C2_UUT31 "2.2uf 10V Tant" "CAP A CASE_030205" 4086.5,7355 r0 top (schematic designator C2)
C2_UUT32 "2.2uf 10V Tant" "CAP A CASE_030205" 5164,7355 r0 top (schematic designator C2)
C2_UUT33 "2.2uf 10V Tant" "CAP A CASE_030205" 6241.5,7355 r0 top (schematic designator C2)
C2_UUT34 "2.2uf 10V Tant" "CAP A CASE_030205" 7319,7355 r0 top (schematic designator C2)
C2_UUT35 "2.2uf 10V Tant" "CAP A CASE_030205" 8396.5,7355 r0 top (schematic designator C2)
C2_UUT36 "2.2uf 10V Tant" "CAP A CASE_030205" 9474,7355 r0 top (schematic designator C2)
C2_UUT37 "2.2uf 10V Tant" "CAP A CASE_030205" 854,6366 r0 top (schematic designator C2)
C2_UUT38 "2.2uf 10V Tant" "CAP A CASE_030205" 1931.5,6366 r0 top (schematic designator C2)
C2_UUT39 "2.2uf 10V Tant" "CAP A CASE_030205" 3009,6366 r0 top (schematic designator C2)
C2_UUT40 "2.2uf 10V Tant" "CAP A CASE_030205" 4086.5,6366 r0 top (schematic designator C2)
C2_UUT41 "2.2uf 10V Tant" "CAP A CASE_030205" 5164,6366 r0 top (schematic designator C2)
C2_UUT42 "2.2uf 10V Tant" "CAP A CASE_030205" 6241.5,6366 r0 top (schematic designator C2)
C2_UUT43 "2.2uf 10V Tant" "CAP A CASE_030205" 7319,6366 r0 top (schematic designator C2)
C2_UUT44 "2.2uf 10V Tant" "CAP A CASE_030205" 8396.5,6366 r0 top (schematic designator C2)
C2_UUT45 "2.2uf 10V Tant" "CAP A CASE_030205" 9474,6366 r0 top (schematic designator C2)
C2_UUT46 "2.2uf 10V Tant" "CAP A CASE_030205" 854,5377 r0 top (schematic designator C2)
C2_UUT47 "2.2uf 10V Tant" "CAP A CASE_030205" 1931.5,5377 r0 top (schematic designator C2)
C2_UUT48 "2.2uf 10V Tant" "CAP A CASE_030205" 3009,5377 r0 top (schematic designator C2)
C2_UUT49 "2.2uf 10V Tant" "CAP A CASE_030205" 4086.5,5377 r0 top (schematic designator C2)
C2_UUT50 "2.2uf 10V Tant" "CAP A CASE_030205" 5164,5377 r0 top (schematic designator C2)
C2_UUT51 "2.2uf 10V Tant" "CAP A CASE_030205" 6241.5,5377 r0 top (schematic designator C2)
C2_UUT52 "2.2uf 10V Tant" "CAP A CASE_030205" 7319,5377 r0 top (schematic designator C2)
C2_UUT53 "2.2uf 10V Tant" "CAP A CASE_030205" 8396.5,5377 r0 top (schematic designator C2)
C2_UUT54 "2.2uf 10V Tant" "CAP A CASE_030205" 9474,5377 r0 top (schematic designator C2)
C3_CTL1 "0.1uf" 0603_072205 954,3912 r270 top (schematic designator C3)
C3_CTL2 "0.1uf" 0603_072205 2031.5,3912 r270 top (schematic designator C3)
C3_CTL3 "0.1uf" 0603_072205 3109,3912 r270 top (schematic designator C3)
C3_CTL4 "0.1uf" 0603_072205 4186.5,3912 r270 top (schematic designator C3)
C3_CTL5 "0.1uf" 0603_072205 5264,3912 r270 top (schematic designator C3)
C3_CTL6 "0.1uf" 0603_072205 6341.5,3912 r270 top (schematic designator C3)
C3_CTL7 "0.1uf" 0603_072205 7419,3912 r270 top (schematic designator C3)
C3_CTL8 "0.1uf" 0603_072205 8496.5,3912 r270 top (schematic designator C3)
C3_CTL9 "0.1uf" 0603_072205 9574,3912 r270 top (schematic designator C3)
C3_CTL10 "0.1uf" 0603_072205 954,3412 r270 top (schematic designator C3)
C3_CTL11 "0.1uf" 0603_072205 2031.5,3412 r270 top (schematic designator C3)
C3_CTL12 "0.1uf" 0603_072205 3109,3412 r270 top (schematic designator C3)
C3_CTL13 "0.1uf" 0603_072205 4186.5,3412 r270 top (schematic designator C3)
C3_CTL14 "0.1uf" 0603_072205 5264,3412 r270 top (schematic designator C3)
C3_CTL15 "0.1uf" 0603_072205 6341.5,3412 r270 top (schematic designator C3)
C3_CTL16 "0.1uf" 0603_072205 7419,3412 r270 top (schematic designator C3)
C3_CTL17 "0.1uf" 0603_072205 8496.5,3412 r270 top (schematic designator C3)
C3_CTL18 "0.1uf" 0603_072205 9574,3412 r270 top (schematic designator C3)
C3_CTL19 "0.1uf" 0603_072205 954,2912 r270 top (schematic designator C3)
C3_CTL20 "0.1uf" 0603_072205 2031.5,2912 r270 top (schematic designator C3)
C3_CTL21 "0.1uf" 0603_072205 3109,2912 r270 top (schematic designator C3)
C3_CTL22 "0.1uf" 0603_072205 4186.5,2912 r270 top (schematic designator C3)
C3_CTL23 "0.1uf" 0603_072205 5264,2912 r270 top (schematic designator C3)
C3_CTL24 "0.1uf" 0603_072205 6341.5,2912 r270 top (schematic designator C3)
C3_CTL25 "0.1uf" 0603_072205 7419,2912 r270 top (schematic designator C3)
C3_CTL26 "0.1uf" 0603_072205 8496.5,2912 r270 top (schematic designator C3)
C3_CTL27 "0.1uf" 0603_072205 9574,2912 r270 top (schematic designator C3)
C3_CTL28 "0.1uf" 0603_072205 954,2412 r270 top (schematic designator C3)
C3_CTL29 "0.1uf" 0603_072205 2031.5,2412 r270 top (schematic designator C3)
C3_CTL30 "0.1uf" 0603_072205 3109,2412 r270 top (schematic designator C3)
C3_CTL31 "0.1uf" 0603_072205 4186.5,2412 r270 top (schematic designator C3)
C3_CTL32 "0.1uf" 0603_072205 5264,2412 r270 top (schematic designator C3)
C3_CTL33 "0.1uf" 0603_072205 6341.5,2412 r270 top (schematic designator C3)
C3_CTL34 "0.1uf" 0603_072205 7419,2412 r270 top (schematic designator C3)
C3_CTL35 "0.1uf" 0603_072205 8496.5,2412 r270 top (schematic designator C3)
C3_CTL36 "0.1uf" 0603_072205 9574,2412 r270 top (schematic designator C3)
C3_CTL37 "0.1uf" 0603_072205 954,1912 r270 top (schematic designator C3)
C3_CTL38 "0.1uf" 0603_072205 2031.5,1912 r270 top (schematic designator C3)
C3_CTL39 "0.1uf" 0603_072205 3109,1912 r270 top (schematic designator C3)
C3_CTL40 "0.1uf" 0603_072205 4186.5,1912 r270 top (schematic designator C3)
C3_CTL41 "0.1uf" 0603_072205 5264,1912 r270 top (schematic designator C3)
C3_CTL42 "0.1uf" 0603_072205 6341.5,1912 r270 top (schematic designator C3)
C3_CTL43 "0.1uf" 0603_072205 7419,1912 r270 top (schematic designator C3)
C3_CTL44 "0.1uf" 0603_072205 8496.5,1912 r270 top (schematic designator C3)
C3_CTL45 "0.1uf" 0603_072205 9574,1912 r270 top (schematic designator C3)
C3_CTL46 "0.1uf" 0603_072205 954,1412 r270 top (schematic designator C3)
C3_CTL47 "0.1uf" 0603_072205 2031.5,1412 r270 top (schematic designator C3)
C3_CTL48 "0.1uf" 0603_072205 3109,1412 r270 top (schematic designator C3)
C3_CTL49 "0.1uf" 0603_072205 4186.5,1412 r270 top (schematic designator C3)
C3_CTL50 "0.1uf" 0603_072205 5264,1412 r270 top (schematic designator C3)
C3_CTL51 "0.1uf" 0603_072205 6341.5,1412 r270 top (schematic designator C3)
C3_CTL52 "0.1uf" 0603_072205 7419,1412 r270 top (schematic designator C3)
C3_CTL53 "0.1uf" 0603_072205 8496.5,1412 r270 top (schematic designator C3)